# Altium PCB PCB_Rev1.PcbDoc
Units mil, origin at the board's own origin, x right, y up, seen from the top; angles counter-clockwise.
Board outline 1241 x 1407.22 mil, 4 copper layers (Top Layer, Layer 1, Layer 2, Bottom Layer), stack 69.556 mil thick; 75 components, 50 nets, 285 pads, 106 vias.
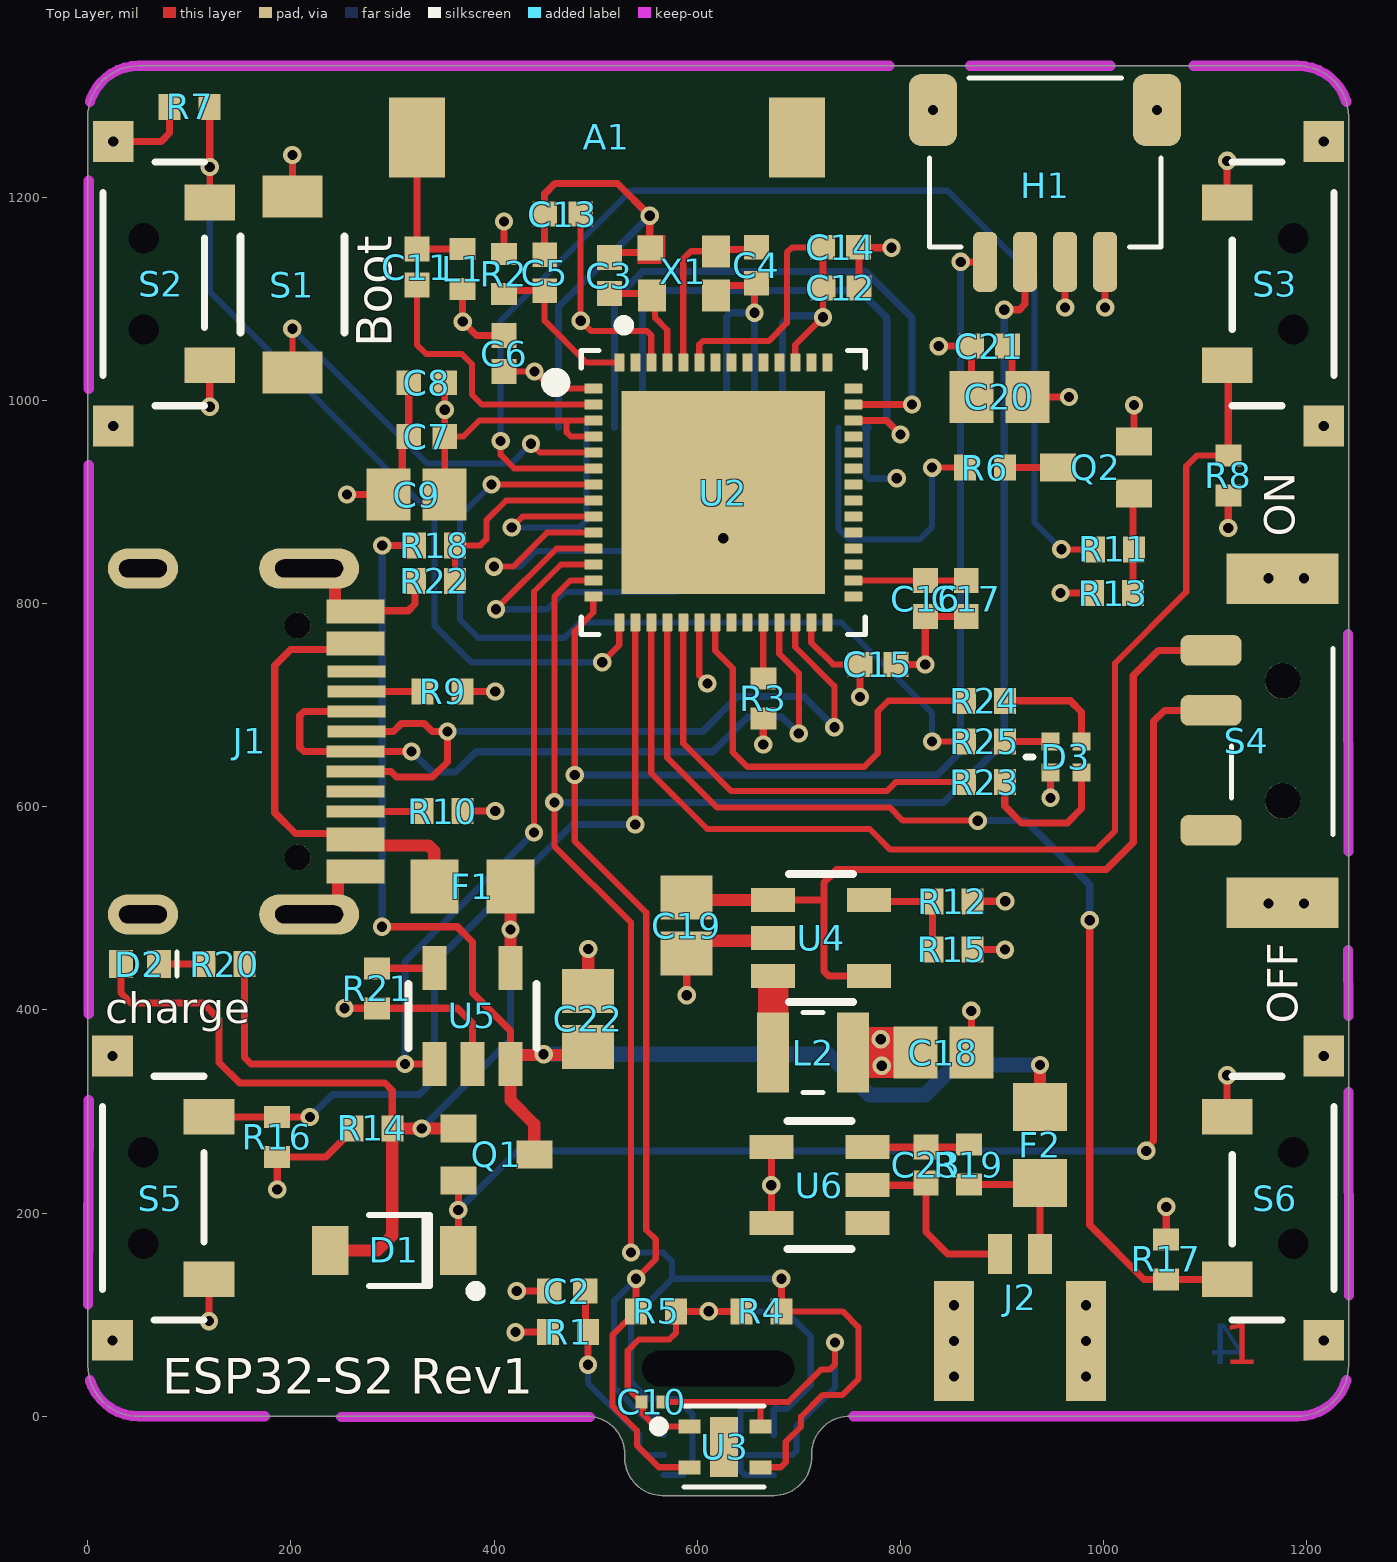
[diagram p0: Top Layer view]
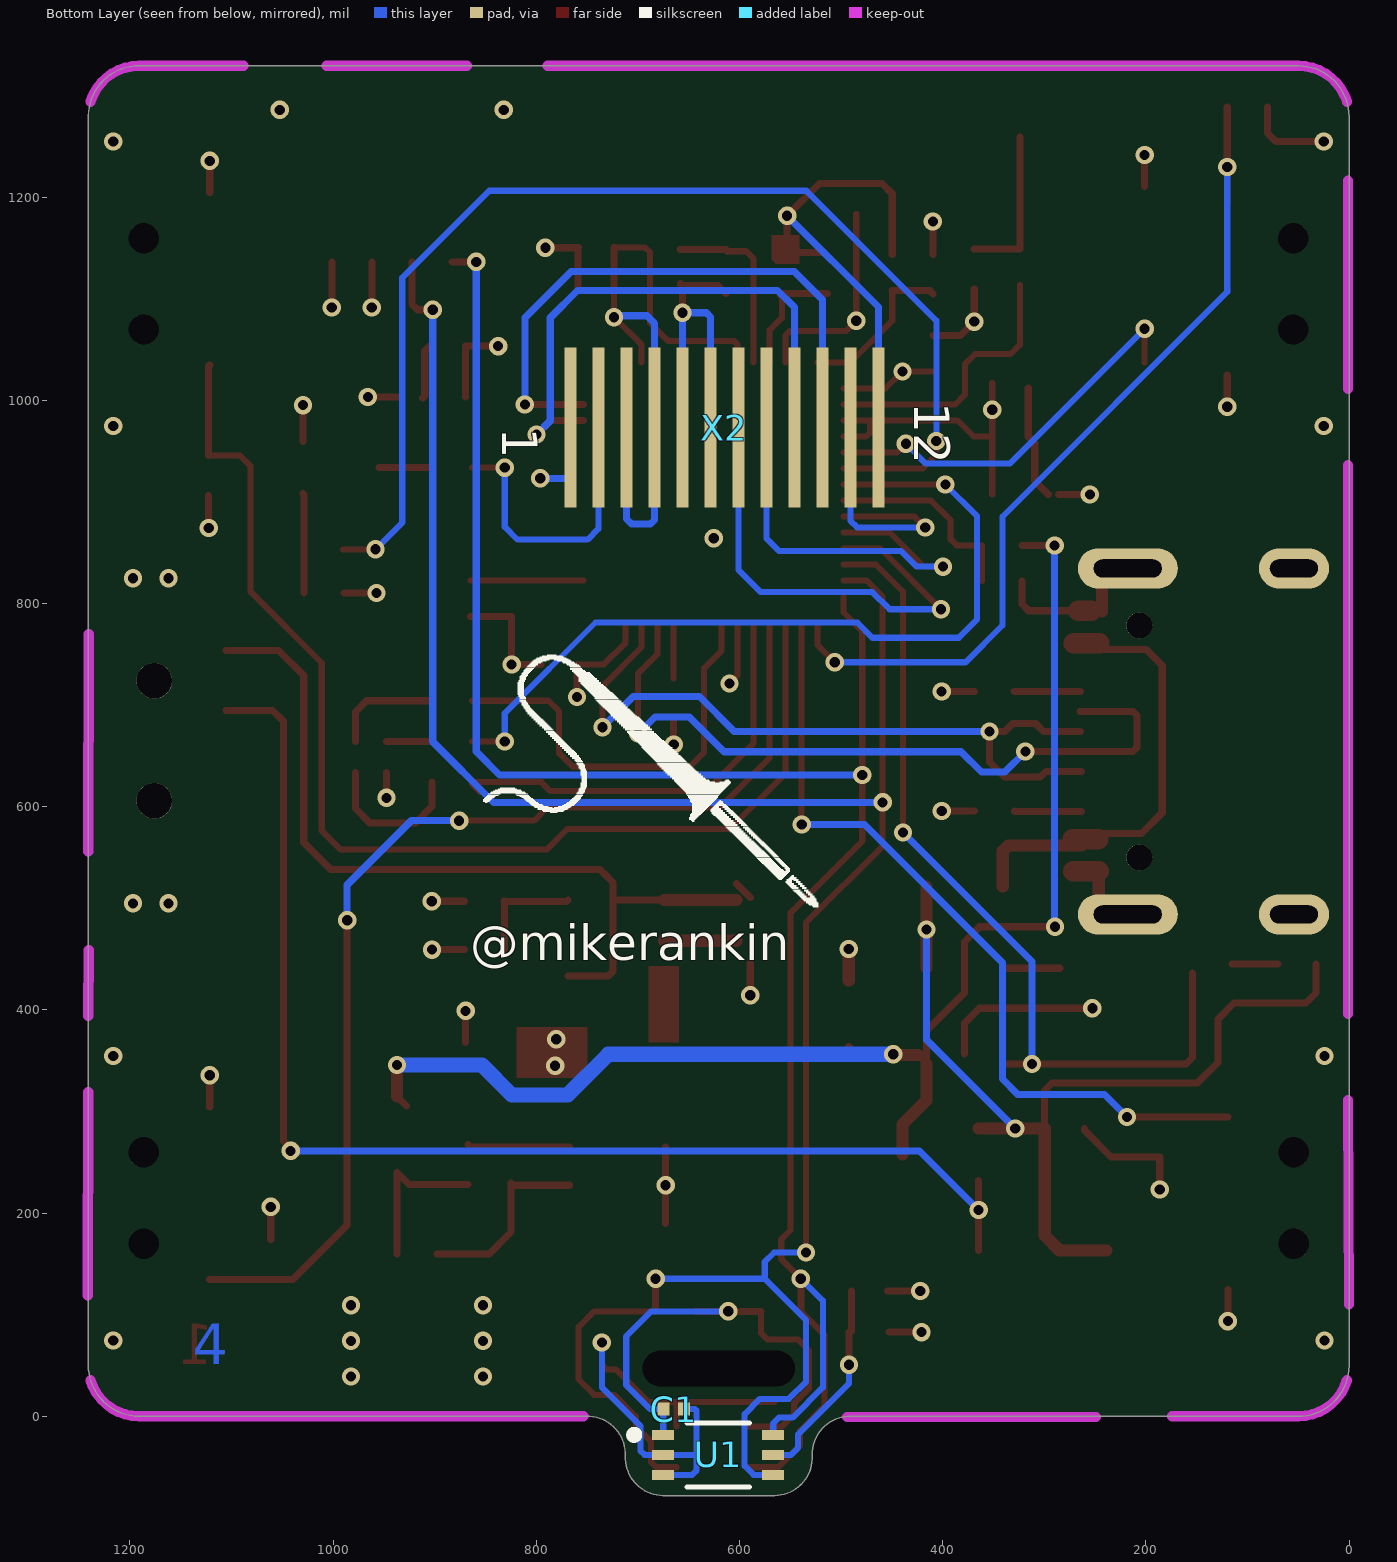
[diagram p1: Bottom Layer view, seen from below]
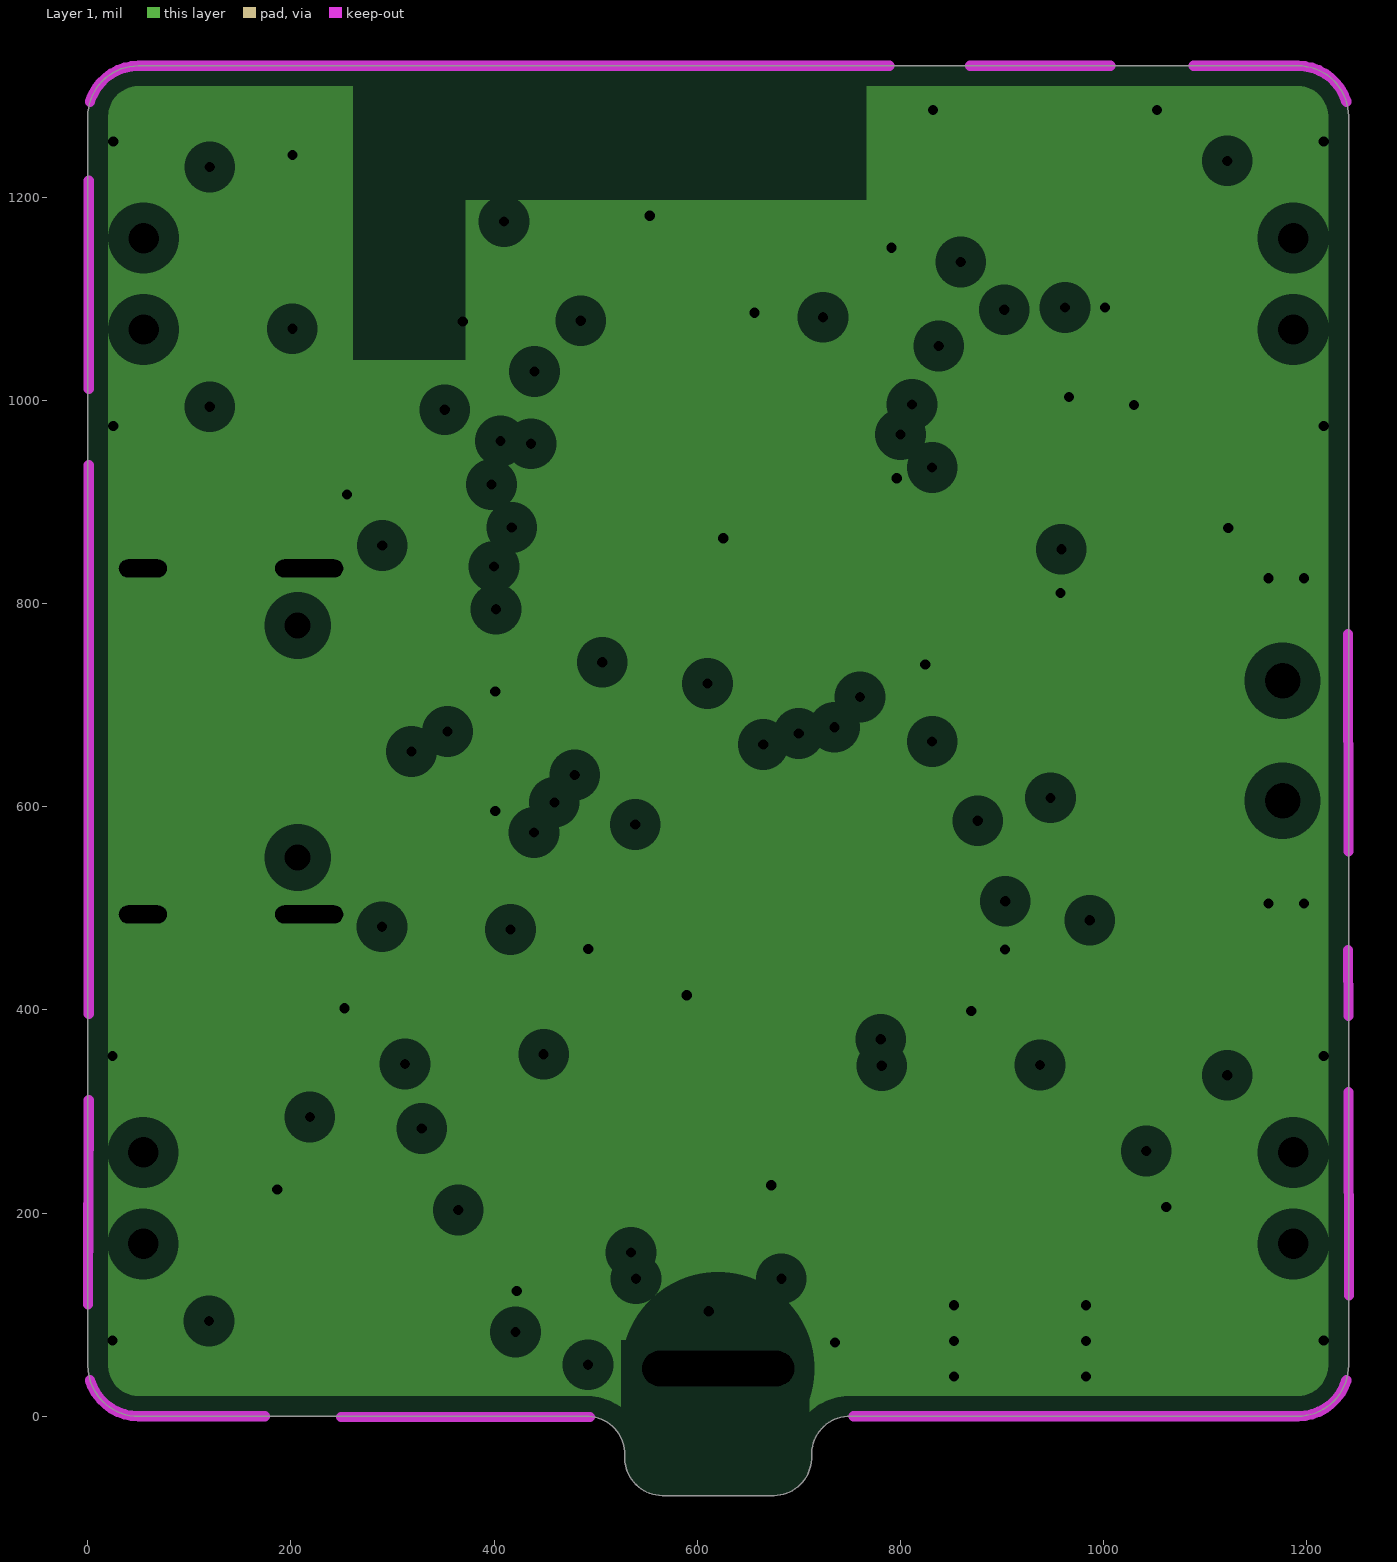
[diagram p2: Layer 1, clearances drawn from the general rule]
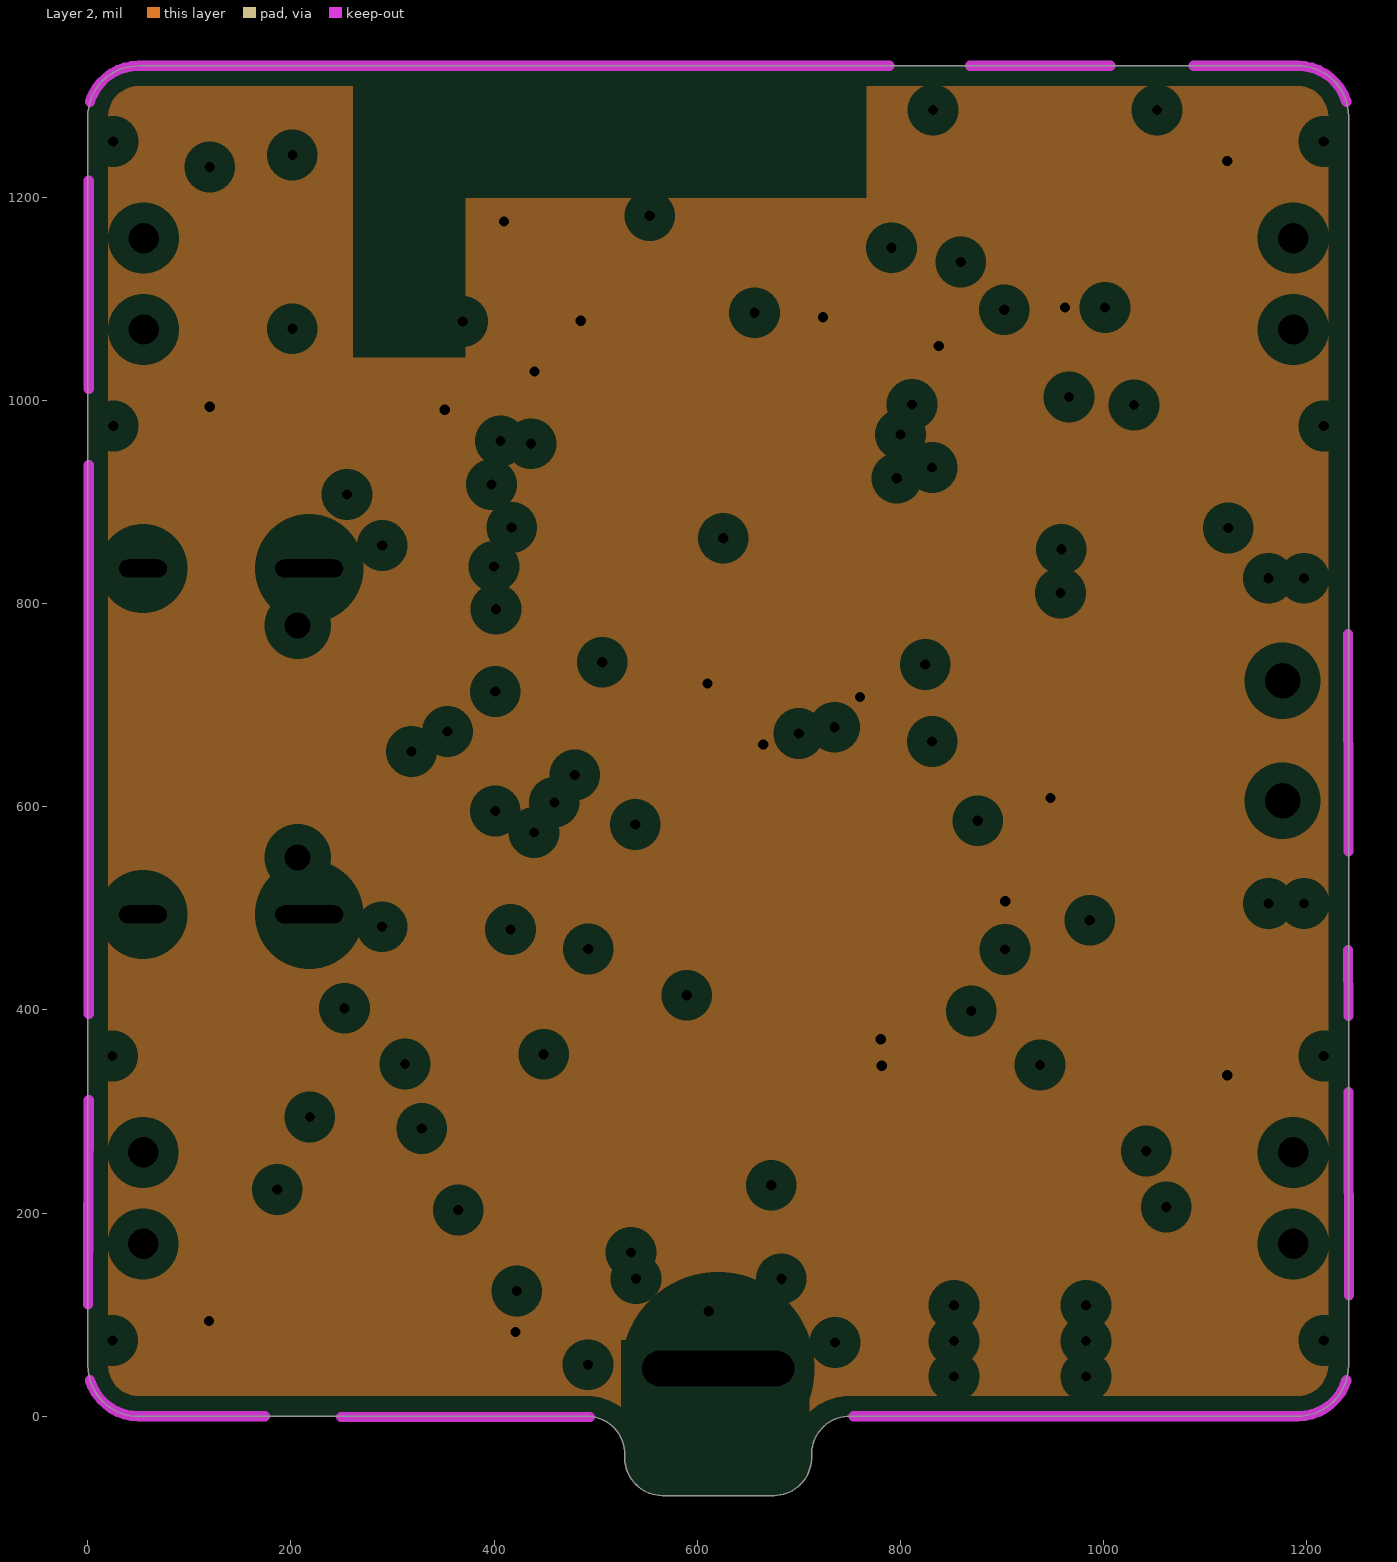
[diagram p3: Layer 2, clearances drawn from the general rule]
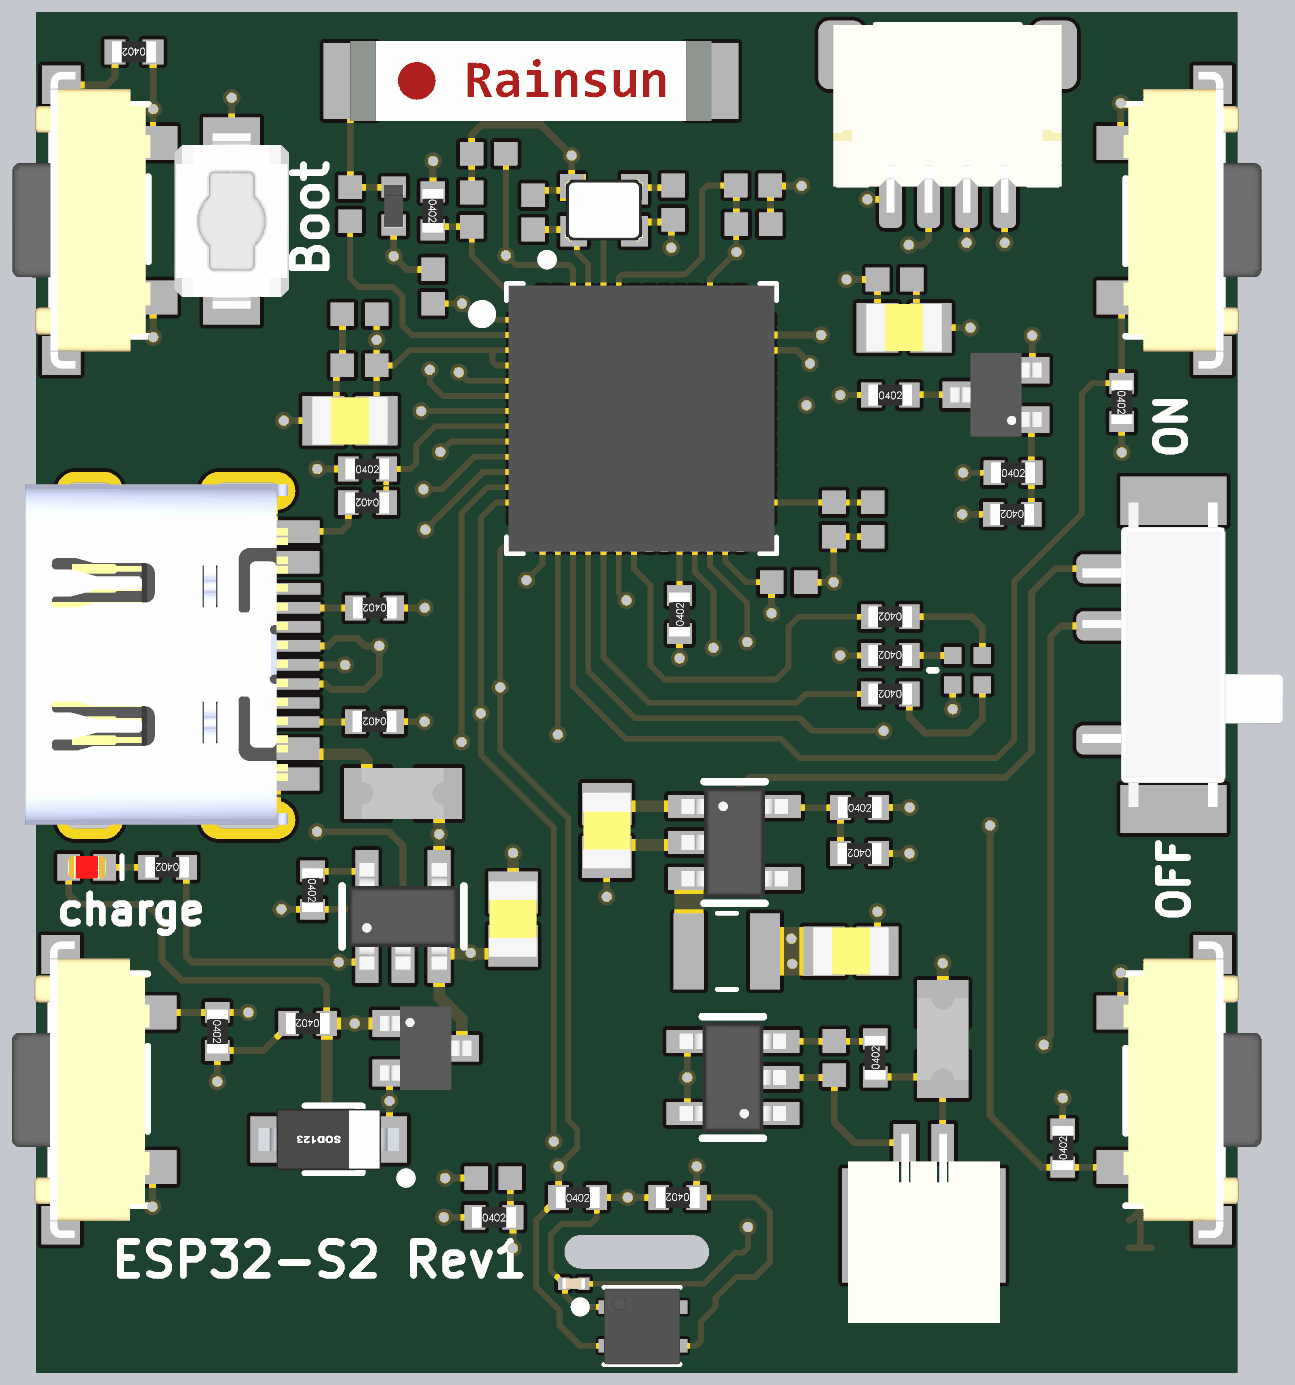
[diagram p4: 3D render of the assembled board from above, using the file's embedded part models]

## Layer stack, top to bottom
Top Solder: solder mask 0.4, Solder Resist, Dk 3.5
Top Layer: signal copper 1.4
Dielectric 2: prepreg 2.8, PP-006, Dk 4.1
Layer 1: plane copper 1.378, net GND
Dielectric 1: dielectric 58.4, FR-4, Dk 4.8
Layer 2: plane copper 1.378, net +3.3V
Dielectric 3: prepreg 2.8, PP-006, Dk 4.1
Bottom Layer: signal copper 1.4
Bottom Solder: solder mask 0.4, Solder Resist, Dk 3.5

## Board outline
0,49.78 ccw(c50,50) 50.1,0 493.5,0 cw(c491,-37.5) 528.58,-38 528.45,-39 ccw(c566,-40.5) 568.5,-78 569,-78 621.5,-78 620.5,-78 673,-78 672.34,-78 ccw(c674.84,-40.5) 712.39,-39 712.45,-39 cw(c750,-37.5) 747.5,0 1190.89,0 ccw(c1190.67,50.33) 1241,50.43 1241,1279.22 1241,1279.44 ccw(c1191,1279.22) 1190.9,1329.22 50,1329.22 49.78,1329.22 ccw(c50,1279.22) 0,1279.12

## Design rules (kind name [scope] priority, off if disabled: settings)
Clearance Clearance_U1 [All vs InComponent('U1')] p1: gap=8 ignorepadtopadclearanceinfootprint=FALSE
Clearance Clearance_U3 [All vs InComponent('U3')] p2: gap=5 ignorepadtopadclearanceinfootprint=FALSE
Clearance Clearance_Q1 [All vs InComponent('Q1')] p3: gap=5 ignorepadtopadclearanceinfootprint=FALSE
Clearance Clearance_U2 [All vs InComponent('U2')] p4: gap=5 ignorepadtopadclearanceinfootprint=FALSE
Clearance Clearance_J1 [All vs InComponent('J1')] p5: gap=5 ignorepadtopadclearanceinfootprint=FALSE
Clearance [All] p6: gap=8 ignorepadtopadclearanceinfootprint=FALSE
HoleSize [All] p1: absolutevalues=TRUE maxlimit=500 minlimit=1 maxpercent=80.000 minpercent=20.000
MinimumSolderMaskSliver [All] p1: minsoldermaskwidth=1
PlaneClearance [All] p1: clearance=20
PlaneConnect PlaneConnect_VIA [(IsVia)] p1: planeconnectstyle=Direct reliefexpansion=20 reliefentries=4 reliefconductorwidth=10 reliefairgap=10
PlaneConnect [All] p2: planeconnectstyle=Relief reliefexpansion=20 reliefentries=4 reliefconductorwidth=10 reliefairgap=10
PolygonConnect [All] p1: connectstyle=Relief reliefconductorwidth=10 reliefentries=4 polygonreliefangle="90 Angle" airgapwidth=10
RoutingVias [All] p1: holewidth=10 width=18 viastyle="Through Hole" minholewidth=10 minwidth=18 maxholewidth=10 maxwidth=18
SilkToSilkClearance [All] p1: silktosilkclearance=3
SilkToSolderMaskClearance [IsPad] p1: minsilkscreentomaskgap=2 clearancetoexposedcopper=TRUE
SolderMaskExpansion [All] p1: expansion=4 istentingtop=FALSE
Width [All] p1: maxlimit=25 minlimit=6 preferedwidth=7
24 further rules are at their usual default settings.

## Components (designator, comment, footprint, x,y, rotation, side; value= is the part's Value field where it differs from the comment)
A1 "Antenna_Chip" AN9520-245 511,1258.88 r270 top locked value="Chip Antenna"
C1 "0.1uF" CAPC0603X56N 664.75,7.07 r180 bottom
C2 "1uF" CAPC1005X56N 471.97,123.31 r180 top
C3 "10pF" CAPC1005X56N 513.38,1122.72 r90 top
C4 "10pF" CAPC1005X56N 658.14,1132.84 r270 top
C5 "0.1uF" CAPC1005X56N 449.69,1125.59 r90 top
C6 "0.1uF" CAPC1005X56N 409.69,1046.02 r90 top
C7 "0.1uF" CAPC1005X56N 333.6,964.34 r180 top
C8 "1uF" CAPC1005X56N 333.6,1017.18 r180 top
C9 "10uF" CAPC2012X140N 323.76,907.18 r180 top
C10 "0.1uF" CAPC0603X56N 555.22,14.07 r0 top
C11 "2.5pF" CAPC1005X56N 323.99,1131.16 r270 top
C12 "0.1uF" CAPC1005X56N 741.29,1110.55 r0 top
C13 "0.1uF" CAPC1005X56N 467.4,1183.31 r180 top
C14 "1uF" CAPC1005X56N 740.86,1150.55 r0 top
C15 "0.1uF" CAPC1005X56N 777.72,740 r0 top
C16 "0.1uF" CAPC1005X56N 824.63,804.89 r270 top
C17 "1uF" CAPC1005X56N 864.63,804.89 r270 top
C18 "10uF" CAPC2012X140N 842.04,358.02 r0 top
C19 "10uF" CAPC2012X140N 589.48,483.02 r270 top
C20 "10uF" CAPC2012X140N 897.24,1003.31 r0 top
C21 "0.1uF" CAPC1005X56N 887.4,1053.31 r0 top
C22 "10uF" CAPC2012X140N 492.53,391.27 r90 top
C23 "0.1uF" CAPC1005X56N 825.01,247.45 r270 top
D1 "MBR0520" SOD123 301.68,163.31 r180 top
D2 "Red Led" LED1005X40N-Red 51.3,445 r180 top
D3 "RGB" FC-B1010RGBT-HG 962.78,648.97 r180 top value="RGB Led"
F1 "TLC-PSMD050" PTC2012X70L 378.4,521.32 r180 top
F2 "TLC-PSMD050" PTC2012X70L 937.25,267.25 r90 top
H1 "QWiiC" SM04B-SRSS-TB 942.26,1211.03 r180 top
J1 "USB-C" TYPE-C-31-M-12 62.17,493.95 r270 top locked
J2 "CON2" JST_Micro_2PIN 917.57,159.85 r0 top
L1 "4.7nH" INDC1005X40L 368.99,1129.19 r270 top
L2 "2.2uH" IND_2mmx2mm 713.85,358.02 r0 top
Q1 "LP1480WT1G" SC-70 402.09,257.72 r0 top value="P-CH Mosfet"
Q2 "MMST3904" SC-70 992.28,933.9 r180 top
R1 "1K" "RESC1005X40L (0402 FOOTPRINT)" 472.67,82.82 r0 top
R2 "10K" "RESC1005X40L (0402 FOOTPRINT)" 409.5,1124.32 r270 top
R3 "10K" "RESC1005X40L (0402 FOOTPRINT)" 664.82,706.58 r90 top
R4 "4.7K" "RESC1005X40L (0402 FOOTPRINT)" 662.93,103.31 r180 top
R5 "4.7K" "RESC1005X40L (0402 FOOTPRINT)" 559.37,103.31 r0 top
R6 "22R" "RESC1005X40L (0402 FOOTPRINT)" 882.84,933.71 r0 top
R7 "10K" "RESC1005X40L (0402 FOOTPRINT)" 100.22,1288.81 r180 top
R8 "10K" "RESC1005X40L (0402 FOOTPRINT)" 1122.5,926.15 r270 top
R9 "5.1K" "RESC1005X40L (0402 FOOTPRINT)" 349.3,713.44 r180 top
R10 "5.1K" "RESC1005X40L (0402 FOOTPRINT)" 349.2,595.7 r180 top
R11 "1K" "RESC1005X40L (0402 FOOTPRINT)" 1010,853.31 r0 top
R12 "90K" "RESC1005X40L (0402 FOOTPRINT)" 851.23,506.89 r0 top
R13 "10K" "RESC1005X40L (0402 FOOTPRINT)" 1009.1,810.31 r180 top
R14 "100K" "RESC1005X40L (0402 FOOTPRINT)" 280,283.31 r180 top
R15 "20K" "RESC1005X40L (0402 FOOTPRINT)" 850.94,459.33 r180 top
R16 "10K" "RESC1005X40L (0402 FOOTPRINT)" 186.45,274.99 r270 top
R17 "10K" "RESC1005X40L (0402 FOOTPRINT)" 1061.45,154.36 r90 top
R18 "100K" "RESC1005X40L (0402 FOOTPRINT)" 341.63,857.18 r0 top
R19 "100R" "RESC1005X40L (0402 FOOTPRINT)" 867.25,247.77 r90 top
R20 "4.7K" "RESC1005X40L (0402 FOOTPRINT)" 134.69,445 r180 top
R21 "4.7K" "RESC1005X40L (0402 FOOTPRINT)" 284.82,421.27 r270 top
R22 "100K" "RESC1005X40L (0402 FOOTPRINT)" 341.63,822.18 r180 top
R23 "1K" "RESC1005X40L (0402 FOOTPRINT)" 882.84,624.22 r180 top
R24 "1K" "RESC1005X40L (0402 FOOTPRINT)" 882.84,704.22 r180 top
R25 "1K" "RESC1005X40L (0402 FOOTPRINT)" 882.84,664.22 r180 top
S1 "=Value" TS-1088R-02526 201.32,1113.79 r90 top
S2 "Push" 122514 100,1114.67 r270 top locked value="Button R/A"
S3 "Push" 122514 1141.45,1114.67 r90 top value="Button R/A"
S4 "SWITCH SLIDE" K3-1296S-E1 1140.57,664.82 r90 top
S5 "Push" 122514 99.35,214.67 r270 top value="Button R/A"
S6 "Push" 122514 1141.45,214.67 r90 top value="Button R/A"
U1 "BH1750FVI" WSOF-6 621,-38 r180 bottom
U2 "ESP32-S2" "QFN56_0.4mm pitch" 497.5,1011.59 r0 top locked
U3 "SHTC3" "DFN-4 (2.0mm X 2.0mm)" 626.98,-30.18 r0 top locked value=Temp/Humid
U4 "RT8096CHGJ5" SOT95P280X144-5N 721.73,470.62 r0 top
U5 "MCP73831T-2ACI/OT" SOT95P280X144-5N 378.6,394.07 r90 top value=MCP73831T-2ACI
U6 "XB5353A" SOT95P280X144-5N 720.01,227.45 r180 top
X1 "40 Mhz" OSC20X16 585.94,1126.65 r0 top
X2 "TFT_1.54\"" "TFT_GLASS 1.54 INCH" 614.84,973.19 r270 bottom locked
